# Altium PCB PCB1.PcbDoc (part 1 of 5) (continued)
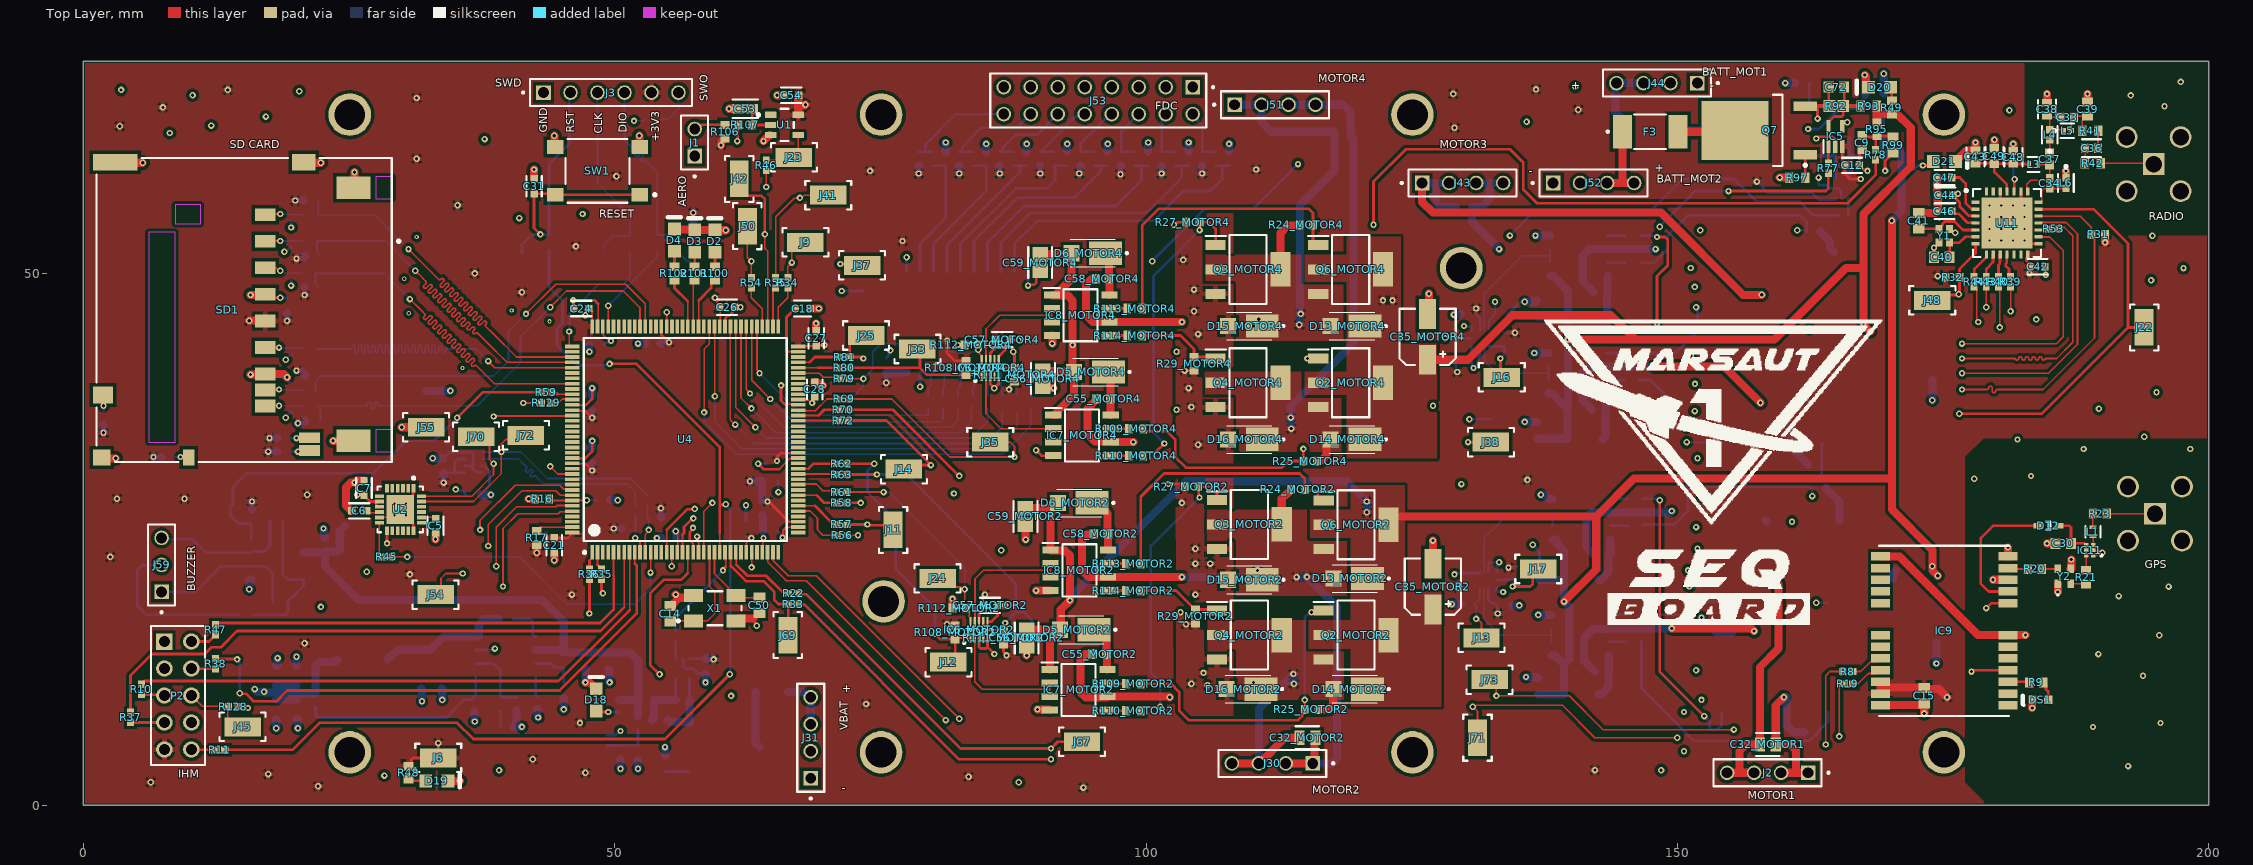
[diagram p0: Top Layer view]
## Components (designator, comment, footprint, x,y, rotation, side; value= is the part's Value field where it differs from the comment)
C1 "C0603C105K3PAC7867" CAPC1608X90X35LL15T15 50.546,4.953 r90 bottom
C2 "CGA3E2X7R1E104K080AA" FP-CGA3E-0_3-0_1-MFG 58.547,13.081 r270 bottom
C3 "CGA3E2X7R1E104K080AA" FP-CGA3E-0_3-0_1-MFG 39.751,17.526 r0 bottom
C4 "C2012X5R1C226K125AC" FP-C2012-125-MFG 20.066,12.192 r90 bottom value=22uF
C5 "GRM1885C1H222JA01D" FP-GRM188-0_1-e0_2_0_5-MFG 33.147,26.289 r270 top
C6 "CGA3E2X7R1E104K080AA" FP-CGA3E-0_3-0_1-MFG 25.97,27.686 r180 top
C7 "CGA3E2X7R1E104K080AA" FP-CGA3E-0_3-0_1-MFG 26.416,29.845 r90 top
C8 "100nF" SAMS-C0603-2_M 36.703,29.21 r0 bottom
C9 "C0603C105K3PAC7867" CAPC1608X90X35LL15T15 167.386,62.357 r90 top
C10 "C0603C105K3PAC7867" CAPC1608X90X35LL15T15 167.64,66.167 r270 bottom
C11 "CGA3E2X7R1E104K080AA" FP-CGA3E-0_3-0_1-MFG 163.322,57.658 r90 bottom
C12 "CGA3E2X7R1E104K080AA" FP-CGA3E-0_3-0_1-MFG 166.435,60.198 r0 top
C13 "100nF" SAMS-C0603-2_M 33.909,31.967 r270 bottom
C14 "VJ0603D150JXPAJ" CAPC1608X92X38ML15T08 55.245,18.034 r270 top
C15 "100nF" SAMS-C0603-2_M 173.228,10.287 r90 top
C16 "CGA3E2X7R1E104K080AA" FP-CGA3E-0_3-0_1-MFG 19.177,46.99 r90 bottom
C17 "C1608X5R1E225K080AB" FP-C1608-080-0_1-MFG 48.26,43.307 r0 bottom
C18 "C1608X5R1E225K080AB" FP-C1608-080-0_1-MFG 67.691,46.736 r180 top
C19 "CGA3E2X7R1E104K080AA" FP-CGA3E-0_3-0_1-MFG 62.357,26.035 r90 bottom
C20 "CGA3E2X7R1E104K080AA" FP-CGA3E-0_3-0_1-MFG 55.118,25.146 r180 bottom
C21 "CGA3E2X7R1E104K080AA" FP-CGA3E-0_3-0_1-MFG 44.323,24.446 r270 top
C22 "CGA3E2X7R1E104K080AA" FP-CGA3E-0_3-0_1-MFG 47.879,32.893 r90 bottom
C23 "CGA3E2X7R1E104K080AA" FP-CGA3E-0_3-0_1-MFG 47.879,37.846 r90 bottom
C24 "CGA3E2X7R1E104K080AA" FP-CGA3E-0_3-0_1-MFG 46.863,46.736 r180 top
C25 "CGA3E2X7R1E104K080AA" FP-CGA3E-0_3-0_1-MFG 53.594,43.434 r180 bottom
C26 "CGA3E2X7R1E104K080AA" FP-CGA3E-0_3-0_1-MFG 60.579,46.863 r0 top
C27 "CGA3E2X7R1E104K080AA" FP-CGA3E-0_3-0_1-MFG 68.961,43.942 r90 top
C28 "CGA3E2X7R1E104K080AA" FP-CGA3E-0_3-0_1-MFG 68.834,39.116 r90 top
C29 "CGA3E2X7R1E104K080AA" FP-CGA3E-0_3-0_1-MFG 64.897,32.131 r180 bottom
C30 "1nF" SAMS-C0603-2_M 186.309,24.638 r0 top
C31 "CGA3E2X7R1E104K080AA" FP-CGA3E-0_3-0_1-MFG 42.418,58.231 r90 top
C32_MOTOR1 "C0805C104K5RACTU" FP-C0805C-DN-MFG 158.508,5.715 r180 top value=100nF (schematic designator C32)
C32_MOTOR2 "C0805C104K5RACTU" FP-C0805C-DN-MFG 115.189,6.35 r180 top value=100nF (schematic designator C32)
C32_MOTOR3 "C0805C104K5RACTU" FP-C0805C-DN-MFG 129.921,56.007 r0 bottom value=100nF (schematic designator C32)
C32_MOTOR4 "C0805C104K5RACTU" FP-C0805C-DN-MFG 118.503,63.373 r0 bottom value=100nF (schematic designator C32)
C33 "06032U1R2BAT2A" CAPC1508X91X25LL25T13 186.69,64.735 r0 top
C34 "04023A2R2CAT2A" CAPC1005X56X25ML10T15 185.039,58.512 r90 top
C35_MOTOR1 "EEE-FT1E470AR" PNSC-FT-V-53x53-2_V 174.371,17.399 r180 bottom (schematic designator C35)
C35_MOTOR2 "EEE-FT1E470AR" PNSC-FT-V-53x53-2_V 127,20.574 r180 top (schematic designator C35)
C35_MOTOR3 "EEE-FT1E470AR" PNSC-FT-V-53x53-2_V 173.99,42.164 r180 bottom (schematic designator C35)
C35_MOTOR4 "EEE-FT1E470AR" PNSC-FT-V-53x53-2_V 126.492,44.069 r180 top (schematic designator C35)
C36 "C0603C470J3GACTU" FP-C0603C-CF-MFG 188.976,61.814 r180 top value="47 pF"
C37 "CC0603JRNPO9BN330" CAPC1608X90X40LL10T20 185.039,60.798 r270 top
C38 "C0603C479C5GACTU" FP-C0603C-CF-MFG 184.785,65.497 r90 top value="4.7 pF"
C39 "06032U1R8BAT2A" CAPC1508X91X25NL25T13 188.595,65.497 r270 top
C40 "VJ0603D150JXPAJ" CAPC1608X92X38ML15T08 174.879,51.562 r0 top
C41 "VJ0603D150JXPAJ" CAPC1608X92X38ML15T08 172.72,54.991 r270 top
C42 "CGA3E2X7R1E104K080AA" FP-CGA3E-0_3-0_1-MFG 183.896,50.673 r0 top
C43 "C0603C470J3GACTU" FP-C0603C-CF-MFG 178.054,60.995 r90 top value="47 pF"
C44 "CGA3E2X7R1E104K080AA" FP-CGA3E-0_3-0_1-MFG 175.198,57.404 r180 top
C45 "CGA3E2X7R1E104K080AA" FP-CGA3E-0_3-0_1-MFG 181.61,60.706 r90 bottom
C46 "CGA3E2X7R1E104K080AA" FP-CGA3E-0_3-0_1-MFG 175.133,55.88 r180 top
C47 "CGA3E2X7R1E104K080AA" FP-CGA3E-0_3-0_1-MFG 175.133,59.055 r180 top
C48 "C0603C470J3GACTU" FP-C0603C-CF-MFG 181.61,60.96 r90 top value="47 pF"
C49 "CC0603KRX7R9BB103" FP-CC0603-DA-MFG 179.832,61.087 r90 top value="10 nF"
C50 "VJ0603D150JXPAJ" CAPC1608X92X38ML15T08 63.627,18.796 r90 top
C51 "C2012X5R1C226K125AC" FP-C2012-125-MFG 20.066,9.017 r270 bottom value=22uF
C52 "C2012X5R1C226K125AC" FP-C2012-125-MFG 18.161,12.192 r90 bottom value=22uF
C53 "C1608X7R1H334K080AC" FP-C1608-080-0_1-IPC_B 62.294,65.532 r0 top
C54 "CGA3E2X7R1E104K080AA" FP-CGA3E-0_3-0_1-MFG 66.612,66.802 r180 top
C55_MOTOR1 "C0603C105K3PAC7867" CAPC1608X90X35LL15T15 142.875,23.495 r0 bottom (schematic designator C55)
C55_MOTOR2 "C0603C105K3PAC7867" CAPC1608X90X35LL15T15 95.631,14.224 r0 top (schematic designator C55)
C55_MOTOR3 "C0603C105K3PAC7867" CAPC1608X90X35LL15T15 142.606,37.211 r0 bottom (schematic designator C55)
C55_MOTOR4 "C0603C105K3PAC7867" CAPC1608X90X35LL15T15 96.012,38.227 r0 top (schematic designator C55)
C56_MOTOR1 "C2012X5R1E106K125AB" FP-C2012-125-0_2-IPC_B 137.033,21.971 r90 bottom (schematic designator C56)
C56_MOTOR2 "C2012X5R1E106K125AB" FP-C2012-125-0_2-IPC_B 88.773,15.748 r270 top (schematic designator C56)
C56_MOTOR3 "C2012X5R1E106K125AB" FP-C2012-125-0_2-IPC_B 136.779,35.306 r90 bottom (schematic designator C56)
C56_MOTOR4 "C2012X5R1E106K125AB" FP-C2012-125-0_2-IPC_B 90.297,40.132 r270 top (schematic designator C56)
C57_MOTOR1 "CGA3E2X7R1E104K080AA" FP-CGA3E-0_3-0_1-MFG 133.731,18.784 r0 bottom (schematic designator C57)
C57_MOTOR2 "CGA3E2X7R1E104K080AA" FP-CGA3E-0_3-0_1-MFG 85.329,18.796 r0 top (schematic designator C57)
C57_MOTOR3 "CGA3E2X7R1E104K080AA" FP-CGA3E-0_3-0_1-MFG 130.302,46.228 r180 bottom (schematic designator C57)
C57_MOTOR4 "CGA3E2X7R1E104K080AA" FP-CGA3E-0_3-0_1-MFG 86.487,43.815 r0 top (schematic designator C57)
C58_MOTOR1 "C0603C105K3PAC7867" CAPC1608X90X35LL15T15 142.875,12.573 r0 bottom (schematic designator C58)
C58_MOTOR2 "C0603C105K3PAC7867" CAPC1608X90X35LL15T15 95.758,25.527 r0 top (schematic designator C58)
C58_MOTOR3 "C0603C105K3PAC7867" CAPC1608X90X35LL15T15 142.748,48.26 r0 bottom (schematic designator C58)
C58_MOTOR4 "C0603C105K3PAC7867" CAPC1608X90X35LL15T15 95.885,49.53 r0 top (schematic designator C58)
C59_MOTOR1 "C2012X5R1E106K125AB" FP-C2012-125-0_2-IPC_B 136.906,11.176 r90 bottom (schematic designator C59)
C59_MOTOR2 "C2012X5R1E106K125AB" FP-C2012-125-0_2-IPC_B 88.646,27.178 r270 top (schematic designator C59)
C59_MOTOR3 "C2012X5R1E106K125AB" FP-C2012-125-0_2-IPC_B 136.779,46.736 r90 bottom (schematic designator C59)
C59_MOTOR4 "C2012X5R1E106K125AB" FP-C2012-125-0_2-IPC_B 90.043,51.054 r270 top (schematic designator C59)
C60 "C0603C105K3PAC7867" CAPC1608X90X35LL15T15 22.733,24.511 r270 bottom
C61 "C0603C102J3GACTU" FP-C0603C-CF-MFG 18.161,26.797 r180 bottom value="1,000 pF"
C62 "C2012X5R1C226K125AC" FP-C2012-125-MFG 18.161,9.017 r270 bottom value=22uF
C63 "C2012X5R1E106K125AB" FP-C2012-125-0_2-IPC_B 49.403,13.589 r270 bottom
C64 "C2012X5R1E106K125AB" FP-C2012-125-0_2-IPC_B 64.643,30.48 r0 bottom
C65 "CGA3E2X7R1E104K080AA" FP-CGA3E-0_3-0_1-MFG 64.643,25.781 r0 bottom
C66 "C2012X5R1E106K125AB" FP-C2012-125-0_2-IPC_B 47.244,13.589 r270 bottom
C67 "C0603C100J3GACTU" FP-C0603C-CF-MFG 40.767,9.525 r90 bottom value="10 pF"
C68 "C0603C822K3RACTU" FP-C0603C-CF-MFG 42.672,9.652 r270 bottom value=8.2nF
C69 "C0603C392K3RACTU" FP-C0603C-CF-MFG 39.878,7.366 r0 bottom value="3,900 pF"
C70 "1nF" SAMS-C0603-2_M 54.266,8.001 r0 bottom
C71 "1nF" SAMS-C0603-2_M 165.481,62.738 r180 bottom
C72 "1nF" SAMS-C0603-2_M 164.973,67.564 r180 top
C77 "C0603C105K3PAC7867" CAPC1608X90X35LL15T15 92.583,60.833 r270 bottom
C78 "C0603C105K3PAC7867" CAPC1608X90X35LL15T15 88.773,60.833 r270 bottom
C79 "C0603C105K3PAC7867" CAPC1608X90X35LL15T15 84.963,60.833 r270 bottom
C80 "C0603C105K3PAC7867" CAPC1608X90X35LL15T15 81.153,60.833 r270 bottom
C81 "CGA3E2X7R1E104K080AA" FP-CGA3E-0_3-0_1-MFG 75.565,41.402 r90 bottom
C82 "C0603C105K3PAC7867" CAPC1608X90X35LL15T15 107.823,60.833 r270 bottom
C83 "C0603C105K3PAC7867" CAPC1608X90X35LL15T15 104.013,60.833 r270 bottom
C84 "C0603C105K3PAC7867" CAPC1608X90X35LL15T15 100.203,60.833 r270 bottom
C85 "C0603C105K3PAC7867" CAPC1608X90X35LL15T15 96.393,60.833 r270 bottom
D1 "SP4322-01ETG" SP432201ETG 19.558,55.245 r90 bottom
D2 "HSMG-C170" AVAG-HSMX-C170_V 59.436,53.086 r90 top
D3 "HSMG-C170" AVAG-HSMX-C170_V 57.531,53.086 r90 top
D4 "HSMG-C170" AVAG-HSMX-C170_V 55.626,53.179 r90 top
D5_MOTOR1 "V4PAN50-M3_I" V4PAN50M3I 141.351,21.209 r180 bottom (schematic designator D5)
D5_MOTOR2 "V4PAN50-M3_I" V4PAN50M3I 93.913,16.51 r180 top (schematic designator D5)
D5_MOTOR3 "V4PAN50-M3_I" V4PAN50M3I 141.732,34.417 r180 bottom (schematic designator D5)
D5_MOTOR4 "V4PAN50-M3_I" V4PAN50M3I 95.25,40.767 r180 top (schematic designator D5)
D6_MOTOR1 "V4PAN50-M3_I" V4PAN50M3I 141.351,10.414 r180 bottom (schematic designator D6)
D6_MOTOR2 "V4PAN50-M3_I" V4PAN50M3I 93.726,28.448 r180 top (schematic designator D6)
D6_MOTOR3 "V4PAN50-M3_I" V4PAN50M3I 141.732,45.974 r180 bottom (schematic designator D6)
D6_MOTOR4 "V4PAN50-M3_I" V4PAN50M3I 94.996,51.943 r180 top (schematic designator D6)
D7 "SP4322-01ETG" SP432201ETG 19.558,37.267 r90 bottom
D8 "SP4322-01ETG" SP432201ETG 19.558,39.37 r270 bottom
D9 "SP4322-01ETG" SP432201ETG 19.558,42.672 r90 bottom
D10 "SP4322-01ETG" SP432201ETG 19.558,49.728 r90 bottom
D11 "SP4322-01ETG" SP432201ETG 19.558,52.776 r90 bottom
D12 "1N4148WT" FAIR-SOD-523F-2_V 184.912,26.289 r180 top
D13_MOTOR1 "V4PAN50-M3_I" V4PAN50M3I 167.259,16.256 r180 bottom (schematic designator D13)
D13_MOTOR2 "V4PAN50-M3_I" V4PAN50M3I 119.634,21.336 r180 top (schematic designator D13)
D13_MOTOR3 "V4PAN50-M3_I" V4PAN50M3I 166.751,52.07 r180 bottom (schematic designator D13)
D13_MOTOR4 "V4PAN50-M3_I" V4PAN50M3I 119.38,45.085 r180 top (schematic designator D13)
D14_MOTOR1 "V4PAN50-M3_I" V4PAN50M3I 167.259,26.797 r180 bottom (schematic designator D14)
D14_MOTOR2 "V4PAN50-M3_I" V4PAN50M3I 119.634,10.922 r180 top (schematic designator D14)
D14_MOTOR3 "V4PAN50-M3_I" V4PAN50M3I 166.811,41.656 r180 bottom (schematic designator D14)
D14_MOTOR4 "V4PAN50-M3_I" V4PAN50M3I 119.38,34.417 r180 top (schematic designator D14)
D15_MOTOR1 "V4PAN50-M3_I" V4PAN50M3I 157.159,16.256 r180 bottom (schematic designator D15)
D15_MOTOR2 "V4PAN50-M3_I" V4PAN50M3I 109.728,21.209 r180 top (schematic designator D15)
D15_MOTOR3 "V4PAN50-M3_I" V4PAN50M3I 157.226,52.324 r180 bottom (schematic designator D15)
D15_MOTOR4 "V4PAN50-M3_I" V4PAN50M3I 109.728,45.085 r180 top (schematic designator D15)
D16_MOTOR1 "V4PAN50-M3_I" V4PAN50M3I 157.099,26.797 r180 bottom (schematic designator D16)
D16_MOTOR2 "V4PAN50-M3_I" V4PAN50M3I 109.601,10.922 r180 top (schematic designator D16)
D16_MOTOR3 "V4PAN50-M3_I" V4PAN50M3I 157.077,41.783 r180 bottom (schematic designator D16)
D16_MOTOR4 "V4PAN50-M3_I" V4PAN50M3I 109.728,34.417 r180 top (schematic designator D16)
D17 "FSV1045V" FP-340BQ-MFG 32.766,13.716 r270 bottom value=820pF
D18 "HSMG-C170" AVAG-HSMX-C170_V 48.26,9.906 r90 top
D19 "HSMG-C170" AVAG-HSMX-C170_V 33.274,2.286 r0 top
D20 "HSMG-C170" AVAG-HSMX-C170_V 169.037,67.564 r180 top
D21 "HSMG-C170" AVAG-HSMX-C170_V 175.133,60.579 r0 top
DS1 "HSMH-C190" AVAG-HSMX-C190_V 184.15,9.906 r180 top
F1 "1210L110/16WR" FP-1210L110-16WR-MFG 64.77,10.668 r180 bottom value=0.06-0.21Ω
F2 "1812L260_16MR" 1812L010DR 147.828,63.5 r0 bottom
F3 "1812L260_16MR" 1812L010DR 147.447,63.373 r0 top
FB1 "BLE18PS080BH1D" FP-BLE18-0_15-t0_6-MFG 63.881,27.94 r270 bottom
IC2 "INA290A4QDCKRQ1" SOT65P210X110-5N 56.388,12.827 r270 bottom
IC3 "INA290A4QDCKRQ1" SOT65P210X110-5N 165.481,58.039 r90 bottom
IC5 "INA290A4QDCKRQ1" SOT65P210X110-5N 164.861,62.931 r90 top
IC6_MOTOR1 "TMUX1072RUTR" QFN40P170X200X55-12N 132.196,21.209 r270 bottom (schematic designator IC6)
IC6_MOTOR2 "TMUX1072RUTR" QFN40P170X200X55-12N 84.29,16.498 r90 top (schematic designator IC6)
IC6_MOTOR3 "TMUX1072RUTR" QFN40P170X200X55-12N 131.445,43.942 r90 bottom (schematic designator IC6)
IC6_MOTOR4 "TMUX1072RUTR" QFN40P170X200X55-12N 85.344,41.148 r90 top (schematic designator IC6)
IC7_MOTOR1 "IR2301SPBF" SOIC127P600X175-8N#1 140.97,26.924 r0 bottom (schematic designator IC7)
IC7_MOTOR2 "IR2301SPBF" SOIC127P600X175-8N#1 93.663,10.844 r0 top (schematic designator IC7)
IC7_MOTOR3 "IR2301SPBF" SOIC127P600X175-8N#1 140.589,40.64 r0 bottom (schematic designator IC7)
IC7_MOTOR4 "IR2301SPBF" SOIC127P600X175-8N#1 93.98,34.798 r0 top (schematic designator IC7)
IC8_MOTOR1 "IR2301SPBF" SOIC127P600X175-8N#1 140.843,16.002 r0 bottom (schematic designator IC8)
IC8_MOTOR2 "IR2301SPBF" SOIC127P600X175-8N#1 93.726,22.098 r0 top (schematic designator IC8)
IC8_MOTOR3 "IR2301SPBF" SOIC127P600X175-8N#1 140.716,51.689 r0 bottom (schematic designator IC8)
IC8_MOTOR4 "IR2301SPBF" SOIC127P600X175-8N#1 93.853,46.101 r0 top (schematic designator IC8)
IC9 "NEO-M8M-0-10" NEO-M8T 175.102,16.409 r0 top
IC10 "74HC7540D,112" SOIC127P1032X265-20N 83.185,45.466 r270 bottom
IC11 "BGU7007,115" BGU7007115 188.806,23.995 r90 top
J1 "TSW-102-05-G-S" SAMTEC_TSW-102-05-G-S 57.531,61.087 r90 top
J2 "TSW-104-05-T-S" SAMTEC_TSW-104-05-T-S 162.306,3.048 r180 top
J3 "TSW-106-05-L-S" SAMTEC_TSW-106-05-L-S 43.307,67.056 r0 top
J4 "5015" FP-5015-MFG 24.638,26.289 r270 bottom
J5 "731000114" MOLX-731000114_V 194.818,60.325 r180 bottom
J6 "5015" FP-5015-MFG 33.401,4.445 r180 top
J9 "5015" FP-5015-MFG 67.945,52.959 r0 top
J10 "731000114" MOLX-731000114_V 194.945,27.432 r180 bottom
J11 "5015" FP-5015-MFG 76.2,25.908 r90 top
J12 "5015" FP-5015-MFG 81.407,13.462 r0 top
J13 "5015" FP-5015-MFG 131.572,15.748 r0 top
J14 "5015" FP-5015-MFG 77.216,31.623 r0 top
J15 "5015" FP-5015-MFG 32.258,38.989 r180 bottom
J16 "5015" FP-5015-MFG 133.477,40.259 r0 top
J17 "5015" FP-5015-MFG 136.906,22.225 r0 top
J22 "5015" FP-5015-MFG 193.929,44.958 r90 top
J23 "5015" FP-5015-MFG 66.866,60.96 r180 top
J24 "5015" FP-5015-MFG 80.391,21.336 r0 top
J25 "5015" FP-5015-MFG 73.66,44.196 r0 top
J30 "TSW-104-05-T-S" SAMTEC_TSW-104-05-T-S 115.697,3.937 r180 top
J31 "TSW-104-05-T-S" SAMTEC_TSW-104-05-T-S 68.453,2.54 r90 top
J32 "5015" FP-5015-MFG 73.406,48.387 r180 bottom
J33 "5015" FP-5015-MFG 78.486,42.926 r0 top
J34 "5015" FP-5015-MFG 89.281,17.018 r90 bottom
J35 "5015" FP-5015-MFG 85.344,34.163 r0 top
J37 "5015" FP-5015-MFG 73.279,50.8 r0 top
J38 "5015" FP-5015-MFG 132.461,34.163 r0 top
J41 "5015" FP-5015-MFG 70.104,57.404 r0 top
J42 "5015" FP-5015-MFG 61.722,58.928 r90 top
J43 "TSW-104-05-T-S" SAMTEC_TSW-104-05-T-S 125.984,58.547 r0 top
J44 "TSW-104-05-T-S" SAMTEC_TSW-104-05-T-S 151.892,67.945 r180 top
J45 "5015" FP-5015-MFG 14.986,7.366 r0 top
J46 "5015" FP-5015-MFG 72.39,38.608 r180 bottom
J48 "5015" FP-5015-MFG 173.99,47.498 r0 top
J49 "5015" FP-5015-MFG 13.843,28.067 r90 bottom
J50 "5015" FP-5015-MFG 62.484,54.483 r90 top
J51 "TSW-104-05-T-S" SAMTEC_TSW-104-05-T-S 108.331,65.913 r0 top
J52 "TSW-104-05-T-S" SAMTEC_TSW-104-05-T-S 138.303,58.547 r0 top
J53 "TSW-108-05-G-D" SAMTEC_TSW-108-05-G-D 104.394,67.564 r180 top
J54 "5015" FP-5015-MFG 33.147,19.812 r0 top
J55 "5015" FP-5015-MFG 32.258,35.56 r0 top
J56 "5015" FP-5015-MFG 132.461,36.322 r180 bottom
J59 "TSW-103-05-G-S" SAMTEC_TSW-103-05-G-S 7.366,20.066 r90 top
J62 "5015" FP-5015-MFG 41.275,51.943 r270 bottom
J63 "5015" FP-5015-MFG 57.15,51.181 r180 bottom
J64 "5015" FP-5015-MFG 49.022,52.324 r270 bottom
J67 "5015" FP-5015-MFG 93.98,5.969 r0 top
J69 "5015" FP-5015-MFG 66.294,16.002 r270 top
J70 "5015" FP-5015-MFG 36.957,34.671 r0 top
J71 "5015" FP-5015-MFG 131.191,6.35 r90 top
J72 "5015" FP-5015-MFG 41.656,34.798 r0 top
J73 "5015" FP-5015-MFG 132.334,11.811 r0 top
L1 "LQW15AN5N6C10D" FP-LQW15AN_00-W0_6-0_1-MFG 189.103,25.737 r270 top
L2 "SRR6038-270Y" SRR6038 26.289,13.716 r180 bottom
L3 "LQW15AN33NJ00D" FP-LQW15AN_00-W0_5-0_1-MFG 183.515,60.29 r0 top
L4 "LQG15HS10NJ02D" FP-LQG15HH_02-IPC_A 185.039,63.084 r90 top
L5 "LQG15HS6N2S02D" FP-LQG15HH_02-IPC_C 186.688,63.465 r0 top
L6 "LQG15HS6N8J02D" FP-LQG15HH_02-IPC_A 186.563,58.547 r270 top
P2 "TSW-105-05-G-D" SMTC-TSW-105-05-X-D 7.631,15.401 r270 top
Q1 "FDD4243" INF-PG-TO252-3-313_L 61.341,5.461 r0 bottom
Q2_MOTOR1 "IRLL024ZTRPBF" SOT230P700X180-4N 167.259,21.336 r0 bottom (schematic designator Q2)
Q2_MOTOR2 "IRLL024ZTRPBF" SOT230P700X180-4N 119.761,16.002 r0 top (schematic designator Q2)
Q2_MOTOR3 "IRLL024ZTRPBF" SOT230P700X180-4N 166.751,36.322 r0 bottom (schematic designator Q2)
Q2_MOTOR4 "IRLL024ZTRPBF" SOT230P700X180-4N 119.253,39.751 r0 top (schematic designator Q2)
Q3_MOTOR1 "IRLL024ZTRPBF" SOT230P700X180-4N 157.226,11.049 r0 bottom (schematic designator Q3)
Q3_MOTOR2 "IRLL024ZTRPBF" SOT230P700X180-4N 109.726,26.416 r0 top (schematic designator Q3)
Q3_MOTOR3 "IRLL024ZTRPBF" SOT230P700X180-4N 157.226,46.99 r0 bottom (schematic designator Q3)
Q3_MOTOR4 "IRLL024ZTRPBF" SOT230P700X180-4N 109.601,50.419 r0 top (schematic designator Q3)
Q4_MOTOR1 "IRLL024ZTRPBF" SOT230P700X180-4N 157.353,21.463 r0 bottom (schematic designator Q4)
Q4_MOTOR2 "IRLL024ZTRPBF" SOT230P700X180-4N 109.726,16.002 r0 top (schematic designator Q4)
Q4_MOTOR3 "IRLL024ZTRPBF" SOT230P700X180-4N 157.226,36.322 r0 bottom (schematic designator Q4)
Q4_MOTOR4 "IRLL024ZTRPBF" SOT230P700X180-4N 109.601,39.751 r0 top (schematic designator Q4)
Q5 "FDD4243" INF-PG-TO252-3-313_L 158.115,63.373 r180 bottom
Q6_MOTOR1 "IRLL024ZTRPBF" SOT230P700X180-4N 167.259,11.049 r0 bottom (schematic designator Q6)
Q6_MOTOR2 "IRLL024ZTRPBF" SOT230P700X180-4N 119.767,26.389 r0 top (schematic designator Q6)
Q6_MOTOR3 "IRLL024ZTRPBF" SOT230P700X180-4N 166.751,46.99 r0 bottom (schematic designator Q6)
Q6_MOTOR4 "IRLL024ZTRPBF" SOT230P700X180-4N 119.253,50.419 r0 top (schematic designator Q6)
Q7 "FDD4243" INF-PG-TO252-3-313_L 157.734,63.5 r180 top
R1 "ERJ-3EKF1693V" RESC1608X55X30ML15T15 45.212,13.716 r90 bottom
R2 "WSL0603R0100FEA" RESC1508X46X38ML25T25 56.403,9.906 r180 bottom
R3 "ERJ-3EKF1022V" RESC1608X55X30LL15T15#1 21.844,9.906 r90 bottom
R4 "ERJ-3EKF6812V" RESC1608X55X30ML15T15 45.212,10.795 r90 bottom
R5 "RC0603JR-070RL" RESC1608X55X25ML10T15 54.737,3.925 r270 bottom
R6 "ERJ-3EKF1822V" RESC1608X55X30NL15T15 39.243,9.525 r90 bottom
R7 "ERJ-3EKF3241V" RESC1608X55X30ML15T15 36.83,9.525 r90 bottom
R8 "CRCW04020000Z0EDHP" RESC1005X40X25ML05T10 166.022,12.573 r0 top
R9 "120R" RESC1609X50X30NL8T20 183.769,11.557 r180 top
R10 "CRCW04020000Z0EDHP" RESC1005X40X25ML05T10 5.461,10.922 r90 top
R11 "CRCW04020000Z0EDHP" RESC1005X40X25ML05T10 12.827,5.207 r0 top
R12 "ERJ3EKF1002V" RESC1609X55X30LL15T15 1.905,36.449 r270 bottom
R13 "ERJ3EKF1002V" RESC1609X55X30LL15T15 8.001,32.766 r180 bottom
R14 "ERJ3EKF1002V" RESC1609X55X30LL15T15 18.923,34.544 r180 bottom
R15 "ERJ3EKF1002V" RESC1609X55X30LL15T15 18.923,33.274 r180 bottom
R16 "ERJ3EKF1002V" RESC1609X55X30LL15T15 43.18,28.829 r180 top
R17 "ERJ3EKF1002V" RESC1609X55X30LL15T15 42.672,25.146 r270 top
R18 "ERJ3EKF1002V" RESC1609X55X30LL15T15 48.895,28.702 r180 bottom
R19 "CRCW04020000Z0EDHP" RESC1005X40X25ML05T10 166.022,11.43 r0 top
R20 "0R" RESC1609X50X30NL8T20 183.642,22.225 r180 top
R21 "0R" RESC1609X50X30NL8T20 188.468,21.463 r270 top
R22 "CRCW04020000Z0EDHP" RESC1005X40X25ML05T10 66.835,19.939 r0 top
R23 "0R" RESC1609X50X30NL8T20 189.738,27.432 r180 top
R24_MOTOR1 "ERJ3EKF1002V" RESC1609X55X30LL15T15 162.56,6.858 r0 bottom (schematic designator R24)
R24_MOTOR2 "ERJ3EKF1002V" RESC1609X55X30LL15T15 114.3,29.718 r0 top (schematic designator R24)
R24_MOTOR3 "ERJ3EKF1002V" RESC1609X55X30LL15T15 162.814,53.975 r180 bottom (schematic designator R24)
R24_MOTOR4 "ERJ3EKF1002V" RESC1609X55X30LL15T15 115.062,54.61 r0 top (schematic designator R24)
R25_MOTOR1 "ERJ3EKF1002V" RESC1609X55X30LL15T15 163.322,29.845 r180 bottom (schematic designator R25)
R25_MOTOR2 "ERJ3EKF1002V" RESC1609X55X30LL15T15 115.57,9.017 r180 top (schematic designator R25)
R25_MOTOR3 "ERJ3EKF1002V" RESC1609X55X30LL15T15 162.926,32.004 r0 bottom (schematic designator R25)
R25_MOTOR4 "ERJ3EKF1002V" RESC1609X55X30LL15T15 115.443,32.385 r180 top (schematic designator R25)
R26 "CRCW04020000Z0EDHP" RESC1005X40X25ML05T10 53.086,28.702 r90 bottom
R27_MOTOR1 "ERJ3EKF1002V" RESC1609X55X30LL15T15 152.4,7.112 r0 bottom (schematic designator R27)
R27_MOTOR2 "ERJ3EKF1002V" RESC1609X55X30LL15T15 104.267,29.972 r0 top (schematic designator R27)
R27_MOTOR3 "ERJ3EKF1002V" RESC1609X55X30LL15T15 151.892,45.212 r270 bottom (schematic designator R27)
R27_MOTOR4 "ERJ3EKF1002V" RESC1609X55X30LL15T15 104.394,54.864 r0 top (schematic designator R27)
R28 "CRCW04020000Z0EDHP" RESC1005X40X25ML05T10 51.943,27.686 r90 bottom
R29_MOTOR1 "ERJ3EKF1002V" RESC1609X55X30LL15T15 152.146,19.812 r270 bottom (schematic designator R29)
R29_MOTOR2 "ERJ3EKF1002V" RESC1609X55X30LL15T15 104.648,17.765 r90 top (schematic designator R29)
R29_MOTOR3 "ERJ3EKF1002V" RESC1609X55X30LL15T15 151.892,34.798 r270 bottom (schematic designator R29)
R29_MOTOR4 "ERJ3EKF1002V" RESC1609X55X30LL15T15 104.521,41.529 r90 top (schematic designator R29)
R30 "CRCW060390R9FKEA" RESC1609X50X30NL10T20 50.419,9.281 r90 bottom
R31 "ERJ3EKF1002V" RESC1609X55X30LL15T15 189.611,53.721 r0 top
R32 "ERJ3EKF1002V" RESC1609X55X30LL15T15 175.895,49.657 r180 top
R33 "CRCW04020000Z0EDHP" RESC1005X40X25ML05T10 66.802,18.923 r0 top
R34 "CRCW04020000Z0EDHP" RESC1005X40X25ML05T10 66.294,49.149 r90 top
R35 "CRCW04020000Z0EDHP" RESC1005X40X25ML05T10 48.768,21.75 r270 top
R36 "CRCW04020000Z0EDHP" RESC1005X40X25ML05T10 47.625,21.717 r270 top
R37 "CRCW04020000Z0EDHP" RESC1005X40X25ML05T10 4.445,8.255 r90 top
R38 "CRCW04020000Z0EDHP" RESC1005X40X25ML05T10 12.446,13.302 r90 top
R39 "CRCW04020000Z0EDHP" RESC1005X40X25ML05T10 181.356,49.243 r90 top
R40 "CRCW04020000Z0EDHP" RESC1005X40X25ML05T10 180.213,49.243 r90 top
R41 "RC0603JR-070RL" RESC1608X55X25ML10T15 188.849,63.465 r0 top
R42 "RC0603JR-070RL" RESC1608X55X25ML10T15 189.103,60.417 r0 top
R43 "CRCW04020000Z0EDHP" RESC1005X40X25ML05T10 179.07,49.243 r90 top
R44 "CRCW04020000Z0EDHP" RESC1005X40X25ML05T10 177.927,49.243 r90 top
R45 "CRCW04020000Z0EDHP" RESC1005X40X25ML05T10 28.575,23.368 r180 top
R46 "CRCW04020000Z0EDHP" RESC1005X40X25ML05T10 64.262,60.198 r90 top
R47 "CRCW04020000Z0EDHP" RESC1005X40X25ML05T10 12.446,16.51 r90 top
R48 "CRCW060390R9FKEA" RESC1609X50X30NL10T20 30.607,3.048 r90 top
R49 "CRCW060390R9FKEA" RESC1609X50X30NL10T20 170.18,65.649 r270 top
R50 "CRCW060390R9FKEA" RESC1609X50X30NL10T20 171.704,59.817 r180 bottom
R51 "RC0603JR-070RL" RESC1608X55X25ML10T15 53.606,64.516 r0 bottom
R53 "CRCW04020000Z0EDHP" RESC1005X40X25ML05T10 185.42,54.229 r180 top
R54 "CRCW04020000Z0EDHP" RESC1005X40X25ML05T10 62.865,49.149 r90 top
R55 "CRCW04020000Z0EDHP" RESC1005X40X25ML05T10 65.151,49.149 r90 top
R56 "CRCW04020000Z0EDHP" RESC1005X40X25ML05T10 71.407,25.4 r180 top
R57 "CRCW04020000Z0EDHP" RESC1005X40X25ML05T10 71.374,26.416 r180 top
R58 "CRCW04020000Z0EDHP" RESC1005X40X25ML05T10 71.374,28.448 r180 top
R59 "CRCW04020000Z0EDHP" RESC1005X40X25ML05T10 43.561,38.862 r180 top
R61 "CRCW04020000Z0EDHP" RESC1005X40X25ML05T10 71.374,29.464 r180 top
R62 "CRCW04020000Z0EDHP" RESC1005X40X25ML05T10 71.374,32.131 r180 top
R63 "CRCW04020000Z0EDHP" RESC1005X40X25ML05T10 71.374,31.115 r180 top
R69 "CRCW04020000Z0EDHP" RESC1005X40X25ML05T10 71.595,38.227 r180 top
R70 "CRCW04020000Z0EDHP" RESC1005X40X25ML05T10 71.534,37.211 r180 top
R71 "CRCW04020000Z0EDHP" RESC1005X40X25ML05T10 55.753,15.875 r270 bottom
R72 "CRCW04020000Z0EDHP" RESC1005X40X25ML05T10 71.501,36.195 r180 top
R73 "CRCW04020000Z0EDHP" RESC1005X40X25ML05T10 49.276,6.096 r270 bottom
R74 "CRCW04020000Z0EDHP" RESC1005X40X25ML05T10 165.608,55.499 r0 bottom
R76 "CRCW04020000Z0EDHP" RESC1005X40X25ML05T10 165.735,65.532 r0 bottom
R77 "CRCW04020000Z0EDHP" RESC1005X40X25ML05T10 164.211,59.944 r90 top
R78 "CRCW04020000Z0EDHP" RESC1005X40X25ML05T10 168.656,61.214 r90 top
R79 "CRCW04020000Z0EDHP" RESC1005X40X25ML05T10 71.595,40.132 r180 top
R80 "CRCW04020000Z0EDHP" RESC1005X40X25ML05T10 71.628,41.148 r180 top
R81 "CRCW04020000Z0EDHP" RESC1005X40X25ML05T10 71.661,42.164 r180 top
R83 "CRCW04020000Z0EDHP" RESC1005X40X25ML05T10 79.502,37.813 r270 bottom
R84 "CRCW04020000Z0EDHP" RESC1005X40X25ML05T10 80.899,37.846 r270 bottom
R85 "CRCW04020000Z0EDHP" RESC1005X40X25ML05T10 82.296,37.846 r270 bottom
R86 "RC0603JR-070RL" RESC1608X55X25ML10T15 52.971,9.906 r180 bottom
R87 "ERJ3EKF1002V" RESC1609X55X30LL15T15 52.197,7.747 r90 bottom
R89 "ERJ-3EKF2001V" RESC1608X55X30ML15T15 52.197,4.916 r90 bottom
R90 "WSL0603R0100FEA" RESC1508X46X38ML25T25 165.481,61.087 r0 bottom
R91 "RC0603JR-070RL" RESC1608X55X25ML10T15 168.656,61.087 r0 bottom
R92 "WSL0603R0100FEA" RESC1508X46X38ML25T25 164.973,65.786 r0 top
R93 "RC0603JR-070RL" RESC1608X55X25ML10T15 168.009,65.786 r0 top
R94 "ERJ3EKF1002V" RESC1609X55X30LL15T15 169.418,63.388 r270 bottom
R95 "ERJ3EKF1002V" RESC1609X55X30LL15T15 168.783,63.612 r90 top
R96 "RC0603JR-070RL" RESC1608X55X25ML10T15 161.81,67.945 r0 bottom
R97 "RC0603JR-070RL" RESC1608X55X25ML10T15 161.29,59.055 r0 top
R98 "ERJ-3EKF2001V" RESC1608X55X30ML15T15 169.418,66.257 r270 bottom
R99 "ERJ-3EKF2001V" RESC1608X55X30ML15T15 170.307,62.103 r90 top
R100 "CRCW060390R9FKEA" RESC1609X50X30NL10T20 59.436,50.038 r270 top
R101 "CRCW060390R9FKEA" RESC1609X50X30NL10T20 57.531,50.038 r270 top
R102 "CRCW060390R9FKEA" RESC1609X50X30NL10T20 55.626,50.038 r270 top
R103 "RC0603JR-070RL" RESC1608X55X25ML10T15 54.009,52.903 r270 bottom
R104 "RC0603JR-070RL" RESC1608X55X25ML10T15 51.469,52.776 r270 bottom
R105 "RC0603JR-070RL" RESC1608X55X25ML10T15 43.815,52.959 r90 bottom
R106 "ERJ3EKF1002V" RESC1609X55X30LL15T15 60.389,63.373 r270 top
R107 "ERJ3EKF1002V" RESC1609X55X30LL15T15 62.294,64.008 r180 top
R108_MOTOR1 "ERJ3EKF1002V" RESC1609X55X30LL15T15 130.302,21.197 r270 bottom (schematic designator R108)
R108_MOTOR2 "ERJ3EKF1002V" RESC1609X55X30LL15T15 82.042,16.256 r90 top (schematic designator R108)
R108_MOTOR3 "ERJ3EKF1002V" RESC1609X55X30LL15T15 133.731,43.815 r90 bottom (schematic designator R108)
R108_MOTOR4 "ERJ3EKF1002V" RESC1609X55X30LL15T15 83.058,41.148 r90 top (schematic designator R108)
R109_MOTOR1 "RC0603FR-0710RL" RESC1608X55X25NL10T15 146.05,26.289 r0 bottom (schematic designator R109)
R109_MOTOR2 "RC0603FR-0710RL" RESC1608X55X25NL10T15 98.806,11.43 r0 top (schematic designator R109)
R109_MOTOR3 "RC0603FR-0710RL" RESC1608X55X25NL10T15 145.669,40.005 r0 bottom (schematic designator R109)
R109_MOTOR4 "RC0603FR-0710RL" RESC1608X55X25NL10T15 99.06,35.433 r0 top (schematic designator R109)
R110_MOTOR1 "RC0603FR-0710RL" RESC1608X55X25NL10T15 146.05,28.829 r0 bottom (schematic designator R110)
R110_MOTOR2 "RC0603FR-0710RL" RESC1608X55X25NL10T15 98.806,8.89 r0 top (schematic designator R110)
R110_MOTOR3 "RC0603FR-0710RL" RESC1608X55X25NL10T15 145.669,42.545 r0 bottom (schematic designator R110)
R110_MOTOR4 "RC0603FR-0710RL" RESC1608X55X25NL10T15 99.06,32.893 r0 top (schematic designator R110)
R111_MOTOR1 "ERJ3EKF1002V" RESC1609X55X30LL15T15 134.874,21.832 r90 bottom (schematic designator R111)
R111_MOTOR2 "ERJ3EKF1002V" RESC1609X55X30LL15T15 86.599,15.748 r270 top (schematic designator R111)
R111_MOTOR3 "ERJ3EKF1002V" RESC1609X55X30LL15T15 129.159,43.307 r270 bottom (schematic designator R111)
R111_MOTOR4 "ERJ3EKF1002V" RESC1609X55X30LL15T15 87.63,40.513 r270 top (schematic designator R111)
R112_MOTOR1 "ERJ3EKF1002V" RESC1609X55X30LL15T15 130.302,18.923 r0 bottom (schematic designator R112)
R112_MOTOR2 "ERJ3EKF1002V" RESC1609X55X30LL15T15 82.423,18.542 r0 top (schematic designator R112)
R112_MOTOR3 "ERJ3EKF1002V" RESC1609X55X30LL15T15 133.365,46.101 r180 bottom (schematic designator R112)
R112_MOTOR4 "ERJ3EKF1002V" RESC1609X55X30LL15T15 83.566,43.307 r0 top (schematic designator R112)
R113_MOTOR1 "RC0603FR-0710RL" RESC1608X55X25NL10T15 145.928,15.386 r0 bottom (schematic designator R113)
R113_MOTOR2 "RC0603FR-0710RL" RESC1608X55X25NL10T15 98.806,22.733 r0 top (schematic designator R113)
R113_MOTOR3 "RC0603FR-0710RL" RESC1608X55X25NL10T15 145.796,51.054 r0 bottom (schematic designator R113)
R113_MOTOR4 "RC0603FR-0710RL" RESC1608X55X25NL10T15 98.933,46.736 r0 top (schematic designator R113)
R114_MOTOR1 "RC0603FR-0710RL" RESC1608X55X25NL10T15 145.923,17.907 r0 bottom (schematic designator R114)
R114_MOTOR2 "RC0603FR-0710RL" RESC1608X55X25NL10T15 98.806,20.193 r0 top (schematic designator R114)
R114_MOTOR3 "RC0603FR-0710RL" RESC1608X55X25NL10T15 145.796,53.594 r0 bottom (schematic designator R114)
R114_MOTOR4 "RC0603FR-0710RL" RESC1608X55X25NL10T15 98.933,44.196 r0 top (schematic designator R114)
R115 "ERJ3EKF1002V" RESC1609X55X30LL15T15 15.875,27.163 r90 bottom
R116 "ERJ-3GEYJ155V" RESC1608X55X30ML15T15 18.542,19.162 r180 bottom
R117 "ERJ-3EKF1503V" RESC1608X55X30NL15T15 15.367,17.907 r180 bottom
R118 "CRCW04020000Z0EDHP" RESC1005X40X25ML05T10 83.566,37.813 r270 bottom
R119 "RC0603FR-074K7L" RESC1608X55X25LL10T15 51.308,26.035 r180 bottom
R120 "RC0603FR-074K7L" RESC1608X55X25LL10T15 53.721,27.051 r0 bottom
R124 "CRCW04020000Z0EDHP" RESC1005X40X25ML05T10 85.09,37.813 r270 bottom
R125 "CRCW04020000Z0EDHP" RESC1005X40X25ML05T10 86.487,37.752 r270 bottom
R126 "CRCW04020000Z0EDHP" RESC1005X40X25ML05T10 87.884,37.752 r270 bottom
R127 "CRCW04020000Z0EDHP" RESC1005X40X25ML05T10 89.154,37.813 r270 bottom
R128 "CRCW04020000Z0EDHP" RESC1005X40X25ML05T10 14.097,9.271 r0 top
R129 "CRCW04020000Z0EDHP" RESC1005X40X25ML05T10 43.561,37.846 r0 top
R144 "ERA3AEB104V" RESC1608X55X30ML20T20 56.676,53.538 r0 bottom
R147 "ERJ3EKF1002V" RESC1609X55X30LL15T15 78.613,60.833 r270 bottom
R148 "ERJ3EKF1002V" RESC1609X55X30LL15T15 82.423,60.833 r270 bottom
R149 "ERJ3EKF1002V" RESC1609X55X30LL15T15 86.233,60.833 r270 bottom
R150 "ERJ3EKF1002V" RESC1609X55X30LL15T15 90.043,60.833 r270 bottom
R151 "ERJ3EKF1002V" RESC1609X55X30LL15T15 79.883,60.833 r90 bottom
R152 "ERJ3EKF1002V" RESC1609X55X30LL15T15 83.693,60.833 r90 bottom
R153 "ERJ3EKF1002V" RESC1609X55X30LL15T15 87.503,60.833 r90 bottom
R154 "ERJ3EKF1002V" RESC1609X55X30LL15T15 91.313,60.833 r90 bottom
R155 "ERJ3EKF1002V" RESC1609X55X30LL15T15 93.853,60.833 r270 bottom
R156 "ERJ3EKF1002V" RESC1609X55X30LL15T15 97.663,60.833 r270 bottom
R157 "ERJ3EKF1002V" RESC1609X55X30LL15T15 101.473,60.833 r270 bottom
R158 "ERJ3EKF1002V" RESC1609X55X30LL15T15 105.283,60.833 r270 bottom
R159 "ERJ3EKF1002V" RESC1609X55X30LL15T15 95.123,60.833 r90 bottom
R160 "ERJ3EKF1002V" RESC1609X55X30LL15T15 98.933,60.833 r90 bottom
R161 "ERJ3EKF1002V" RESC1609X55X30LL15T15 102.743,60.833 r90 bottom
R162 "ERJ3EKF1002V" RESC1609X55X30LL15T15 106.553,60.833 r90 bottom
R163 "ERJ-3EKF4992V" RESC1608X55X30ML15T15 21.463,56.896 r180 bottom
R164 "ERJ-3EKF4992V" RESC1608X55X30ML15T15 21.59,36.195 r180 bottom
R165 "ERJ-3EKF4992V" RESC1608X55X30ML15T15 21.59,40.386 r180 bottom
R166 "ERJ-3EKF4992V" RESC1608X55X30ML15T15 21.59,51.689 r180 bottom
R167 "ERJ3EKF1002V" RESC1609X55X30LL15T15 21.463,48.768 r180 bottom
R168 "ERJ-3EKF22R0V" RESC1608X55X30LL15T15#2 21.336,53.086 r180 bottom
R169 "ERJ-3EKF22R0V" RESC1608X55X30LL15T15#2 21.209,50.038 r180 bottom
R170 "ERJ-3EKF22R0V" RESC1608X55X30LL15T15#2 21.336,42.926 r180 bottom
R171 "ERJ-3EKF22R0V" RESC1608X55X30LL15T15#2 21.209,38.989 r180 bottom
R172 "ERJ-3EKF22R0V" RESC1608X55X30LL15T15#2 21.336,37.592 r180 bottom
R173 "ERJ-3EKF22R0V" RESC1608X55X30LL15T15#2 21.463,55.499 r180 bottom
SD1 "503500-0991" MOLX-503500-0991_V 13.589,46.609 r270 top
SW1 "PTS645SM43SMTR92LFS" FP-PTS645SM43SMTR92LFS-MFG 48.387,59.69 r180 top
U1 "SN74LVC1G17DBVT" FP-DBV0005A-MFG 65.977,64.008 r0 top
U2 "MPU-6050" IS-QFN-24_V 29.83,27.83 r270 top
U3 "BMP280" FP-BMP280-MFG 36.703,32.258 r0 bottom
U4 "STM32F746ZGT6" STM-LQFP144_V 56.642,34.417 r90 top
U5 "TPS54233D" D0008A_M 39.751,13.97 r180 bottom
U7 "RE46C100S8F" SOIC127P600X175-8N#2 18.271,23.13 r180 bottom
U11 "SX1279IMLTRT" SMTC-QFN-28_V 181.029,54.782 r0 top
X1 "ABM3B-16.000MHZ-B2-T" ABRA-ABM3B-4_V 59.436,18.542 r0 top
Y1 "ABM11-32.000MHZ-D2X-T3" ABM1132000MHZD2XT3 175.125,53.579 r270 top
Y2 "AFS20A42-1575.42-T3" AFS20A42157542T3 186.401,21.528 r90 top

## Footprints (in the part's own frame and the unit in brackets; to place one, negate y for a bottom-side part, rotate by r counter-clockwise, add the part's x,y. Pads: shape width x height; smd on the part's side, far side on the other; paste and mask are expansions set on the pad)
1812L010DR [mm]
  rect 1.78x3.15 smd: 1(-2.615,0) 2(2.615,0)
  silkscreen extent -4.1,-1.62 1.5,1.62, body extent -2.28,-1.63 2.28,1.63, height 1.34
ABM1132000MHZD2XT3 [mm]
  rect 0.75x0.65 smd: 1(-0.65,-0.5) 2(0.65,-0.5) 3(0.65,0.5) 4(-0.65,0.5)
  silkscreen extent -1.6,-0.55 -1.5,-0.45, body extent -1,-0.8 1,0.8, height 0.69
ABRA-ABM3B-4_V [mm] "SMD, 4-Leads, Body 5x3.2mm"
  rect 1.8x1.2 smd: 1(-2,-1.2) 2(2,-1.2) 3(2,1.2) 4(-2,1.2)
  silkscreen extent -3.57,-1.6 2.5,1.6, body extent -2.5,-1.59 2.5,1.59, height 1.13
AFS20A42157542T3 [mm]
  rect 0.8x0.6 smd: A1(-0.7,0.6) B1(-0.7,-0.6) C1(0.7,-0.6) D1(0.7,0.6)
  silkscreen extent -1.8,0.55 -1.7,0.65, body extent -1.04,-0.84 1.04,0.84, height 0.85
AVAG-HSMX-C170_V [mm] "SMD, 2-Leads, Body 2x1.25mm, Height 0.8mm"
  rect 1.2x1.2 smd: 1(-1.05,0) 2(1.05,0)
  silkscreen extent 2.15,-0.63 2.15,0.63, body extent -1,-0.63 1,0.63, height 0.8
AVAG-HSMX-C190_V [mm] "SMD, 2-Leads, Body 1.6x0.8mm, Height 0.9mm"
  rect 0.8x0.8 smd: 1(-0.75,0) 2(0.75,0)
  silkscreen extent 1.65,-0.4 1.65,0.4, body extent -0.8,-0.4 0.8,0.4, height 0.9
BGU7007115 [mm]
  rect 0.37x0.425 smd: 1(-0.5,-0.338) 2(0,-0.338) 3(0.5,-0.338) 4(0.5,0.338) 5(0,0.338) 6(-0.5,0.338)
  silkscreen extent -0.6,-1.2 -0.4,-1, body extent -0.72,-0.5 0.72,0.5, height 0.6
CAPC1005X56X25ML10T15 [mm] "Chip Capacitor, 2-Leads, Body 1.00x0.50mm, IPC Low Density"
  rect 0.78x0.74 smd: 1(-0.49,0) 2(0.49,0)
  body extent -0.55,-0.3 0.55,0.3, height 0.56
CAPC1508X91X25LL25T13 [mm] "Chip Capacitor, 2-Leads, Body 1.52x0.76mm, IPC High Density"
  rect 0.74x0.92 smd: 1(-0.62,0) 2(0.62,0)
  body extent -0.88,-0.51 0.89,0.51, height 0.91
CAPC1508X91X25NL25T13 [mm] "Chip Capacitor, 2-Leads, Body 1.52x0.76mm, IPC Medium Density"
  rect 0.84x1.02 smd: 1(-0.67,0) 2(0.67,0)
  body extent -0.89,-0.51 0.88,0.5, height 0.91
CAPC1608X90X35LL15T15 [mm] "Chip Capacitor, 2-Leads, Body 1.60x0.81mm, IPC High Density"
  rect 0.85x0.9 smd: 1(-0.65,0) 2(0.65,0)
  body extent -0.88,-0.48 0.87,0.48, height 0.9
CAPC1608X90X40LL10T20 [mm] "Chip Capacitor, 2-Leads, Body 1.70x0.90mm, IPC High Density"
  rect 0.85x0.85 smd: 1(-0.575,0) 2(0.575,0)
  body extent -0.85,-0.45 0.85,0.45, height 0.9
CAPC1608X92X38ML15T08 [mm] "Chip Capacitor, 2-Leads, Body 1.60x0.80mm, IPC Low Density"
  rect 0.95x1.1 smd: 1(-0.725,0) 2(0.725,0)
  body extent -0.87,-0.48 0.87,0.47, height 0.92
D0008A_M [mm] "SOIC, 8-Leads, Body 5x4mm, Pitch 1.27mm, IPC Low Density"
  rrect15% 1.65x0.65 smd: 1(-2.825,1.905) 2(-2.825,0.635) 3(-2.825,-0.635) 4(-2.825,-1.905) 5(2.825,-1.905) 6(2.825,-0.635) 7(2.825,0.635) 8(2.825,1.905)
  silkscreen extent -2.95,-2.5 1.6,2.9, body extent -3,-2.45 3,2.45, height 1.63
FAIR-SOD-523F-2_V [mm] "SMD, 2-Leads, Body 1.2x0.8mm, Height 0.7mm"
  rect 0.8x0.5 smd: 1(-1,0) 2(1,0)
  silkscreen extent -0.2,-0.38 0.24,0.38, body extent -0.6,-0.4 0.6,0.4, height 0.71
FP-340BQ-MFG [mm]
  rect 1.15x1.45 smd paste+0 mask+0: 1(2.75,0.985) 2(2.75,-0.985)
  rect 4.65x4.15 smd paste+0 mask+0: 3(-1,0)
  silkscreen extent -4.3,-2.31 3.08,2.31, body extent -3.25,-2.21 3.25,2.21, height 1.2
FP-1210L110-16WR-MFG [mm]
  rect 1x2.5 smd paste+0 mask+0: 1(-1.5,0) 2(1.5,0)
  silkscreen extent -0.63,-1.4 0.63,1.4, body extent -1.61,-1.29 1.62,1.29, height 1.25
FP-5015-MFG [mm]
  rect 3.43x1.78 smd paste+0 mask+0: 1(0,0)
  silkscreen extent -2.16,-1.34 2.17,1.34
FP-BLE18-0_15-t0_6-MFG [mm]
  rect 0.65x0.7 smd paste+0 mask+0: 1(-0.675,0) 2(0.675,0)
  silkscreen extent -0.87,-0.8 0.87,0.8, body extent -0.8,-0.4 0.8,0.4, height 0.75
FP-BMP280-MFG [mm]
  rect 0.5x0.35 smd paste+0 mask+0: 1(0.8,0.975) 2(0.8,0.325) 3(0.8,-0.325) 4(0.8,-0.975) 5(-0.8,-0.975) 6(-0.8,-0.325) 7(-0.8,0.325) 8(-0.8,0.975)
  silkscreen extent -1.05,-1.58 1.75,1.58, body extent -1,-1.25 1,1.25, height 1
FP-C0603C-CF-MFG [mm]
  rect 0.75x0.9 smd paste+0 mask+0: 1(-0.6,0) 2(0.6,0)
  silkscreen extent -0.87,-0.85 0.88,0.85, body extent -1.2,-0.6 1.2,0.6, height 0.25
FP-C0805C-DN-MFG [mm]
  rect 0.95x1.35 smd paste+0 mask+0: 1(-0.75,0) 2(0.75,0)
  silkscreen extent -1.1,-1.07 1.1,1.07, body extent -1.4,-0.85 1.4,0.85, height 0.25
FP-C1608-080-0_1-IPC_B [mm]
  rect 1.131x0.912 smd paste+0 mask+0: 1(-0.641,0) 2(0.641,0)
  silkscreen extent -1.21,-0.86 1.21,0.86, body extent -0.8,-0.4 0.8,0.4, height 0.9
FP-C1608-080-0_1-MFG [mm]
  rect 0.7x0.7 smd paste+0 mask+0: 1(-0.7,0) 2(0.7,0)
  silkscreen extent -0.8,-0.75 0.8,0.75, body extent -0.8,-0.4 0.8,0.4, height 0.9
FP-C2012-125-0_2-IPC_B [mm]
  rect 1.378x1.456 smd paste+0 mask+0: 1(-0.764,0) 2(0.764,0)
  silkscreen extent -1.45,-1.13 1.45,1.13, body extent -1,-0.63 1,0.63, height 1.45
FP-C2012-125-MFG [mm]
  rect 0.8x1.05 smd paste+0 mask+0: 1(-0.925,0) 2(0.925,0)
  silkscreen extent -0.15,-0.72 0.15,0.72, body extent -1,-0.63 1,0.63, height 1.45
FP-CC0603-DA-MFG [mm]
  rect 0.8x0.9 smd paste+0 mask+0: 1(-0.75,0) 2(0.75,0)
  silkscreen extent -0.85,-0.85 0.85,0.85, body extent -1.35,-0.75 1.35,0.75, height 0.25
FP-CGA3E-0_3-0_1-MFG [mm]
  rect 0.7x0.7 smd paste+0 mask+0: 1(-0.7,0) 2(0.7,0)
  silkscreen extent -0.95,-0.72 0.95,0.72, body extent -0.8,-0.4 0.8,0.4, height 1.1